# Altium PCB PROC114E3_BRD.PcbDoc (part 15 of 18) (continued)
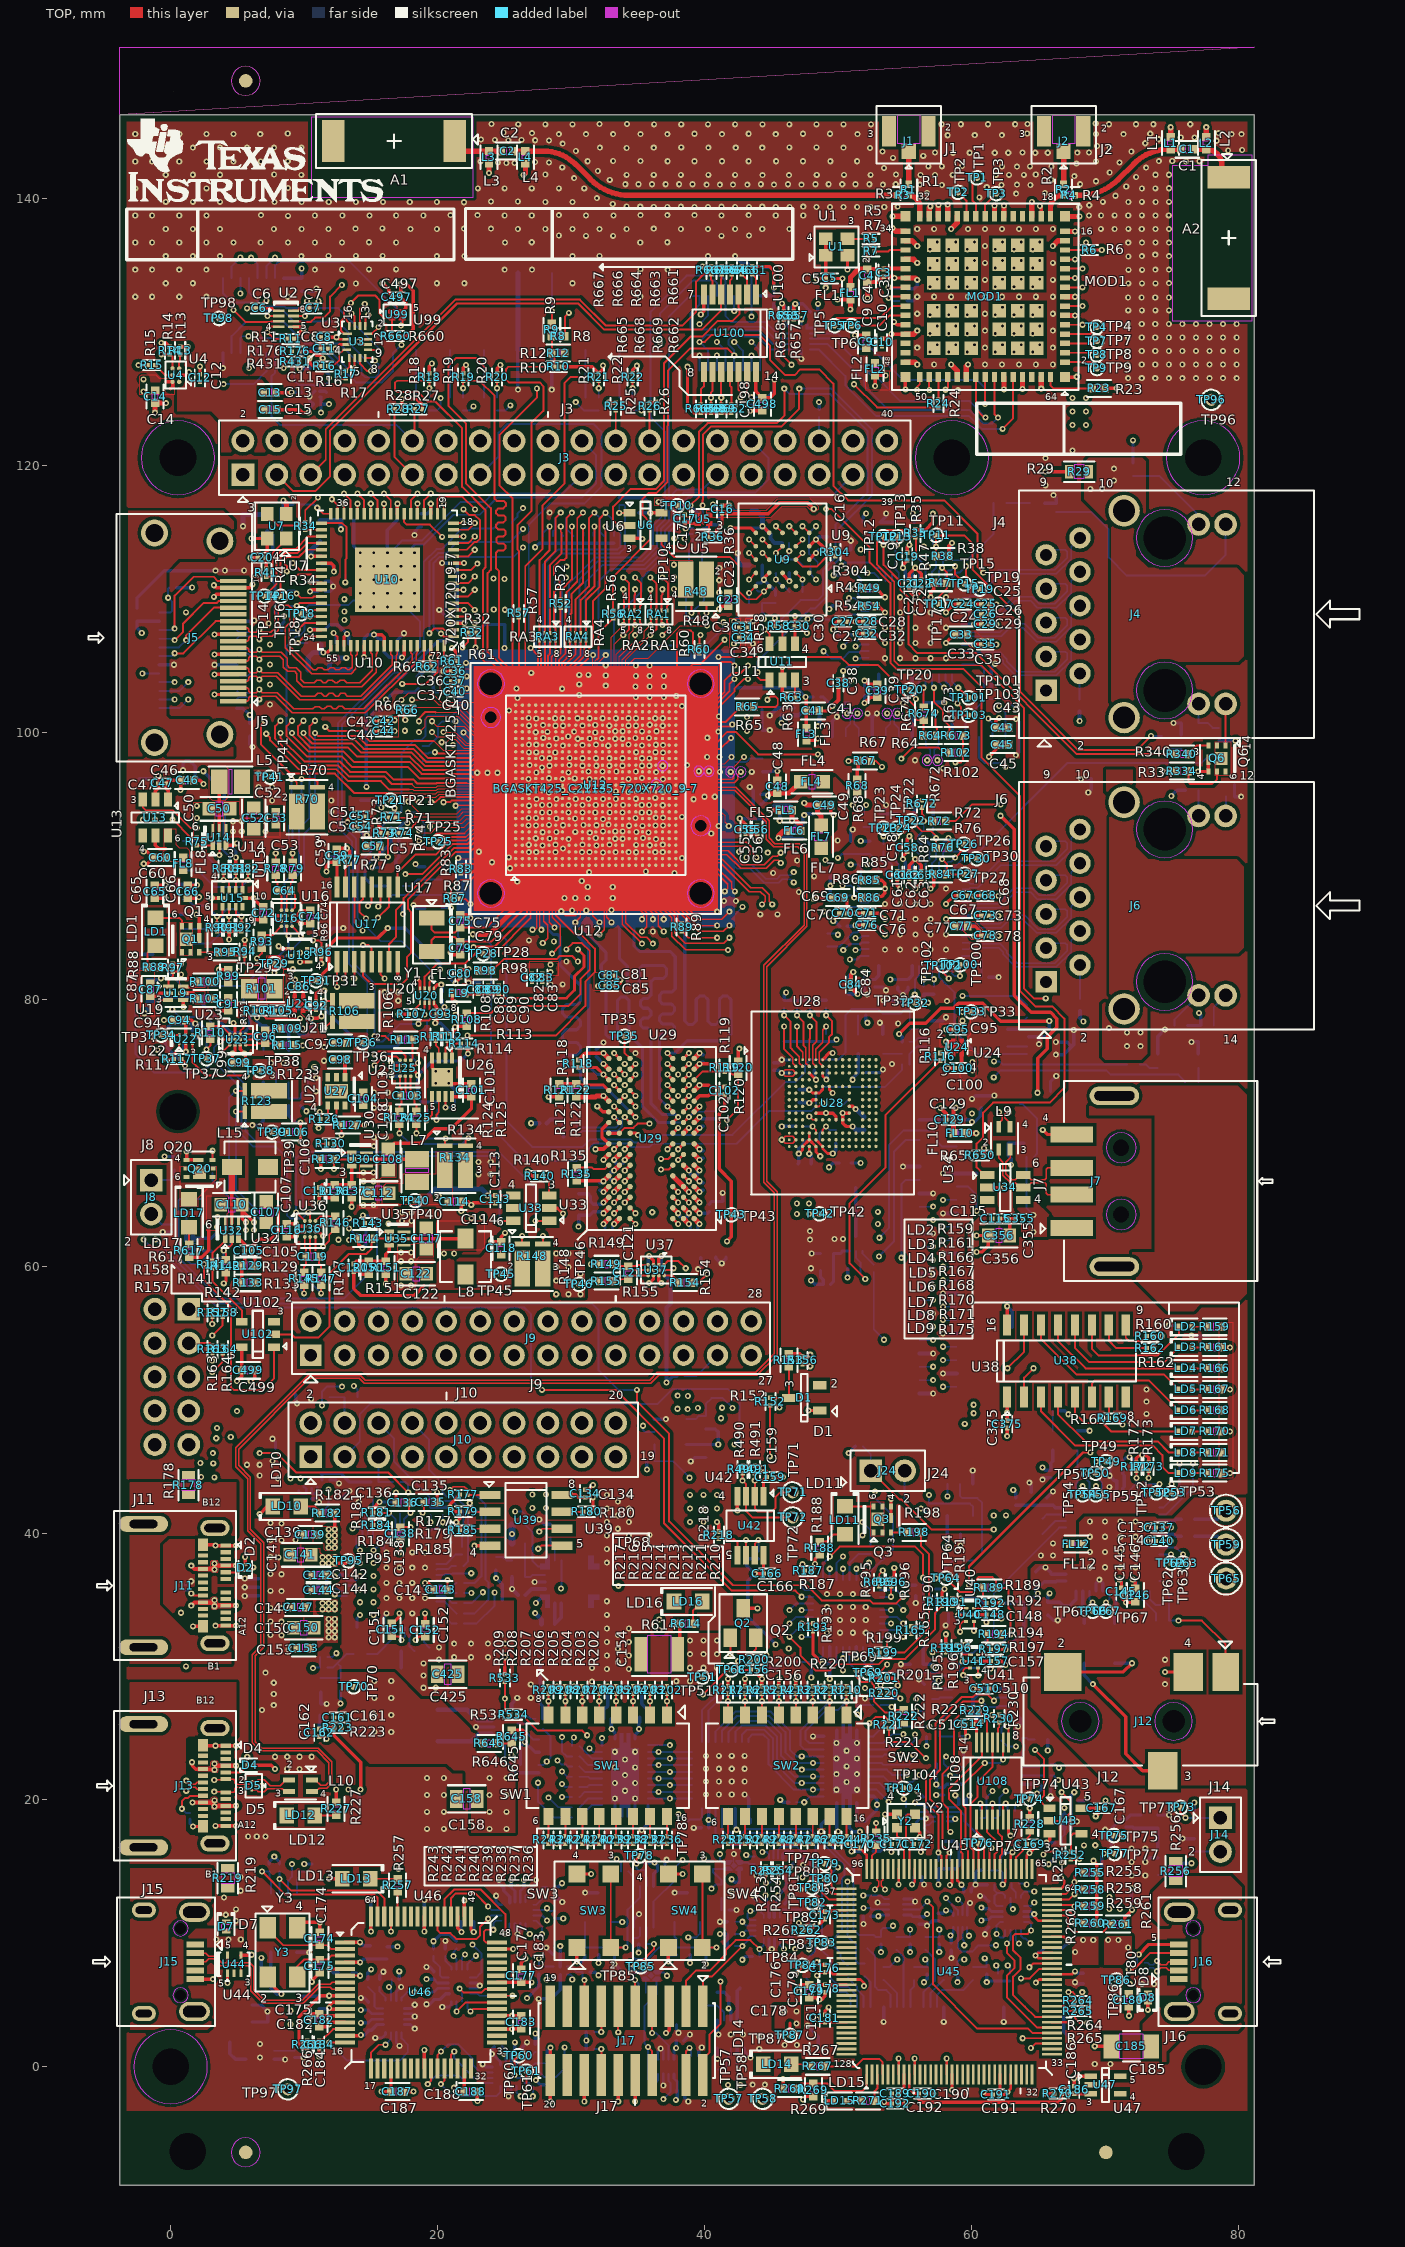
[diagram p0: TOP view]
## Nets (pads, with @x,y where several pads share a name; then routed paths per layer and width w, separated by ;. In a path a pad name is that pad's centre, name@x,y a point inside that pad or via, vN(x,y) a via of type N, cw(c..) or ccw(c..) an arc to the next point about the centre after c; other vN are vias at no path point) (continued)
 TP1.1 TP2.1 TP3.1 TP4.1 TP5.1 TP6.1 TP7.1 TP8.1 TP9.1 TP10.1 TP11.1 TP12.1 TP13.1 TP14.1 TP15.1 TP16.1 TP17.1 TP18.1 TP19.1 TP20.1 TP21.1 TP22.1 TP23.1 TP24.1 TP25.1 TP26.1 TP27.1 TP28.1 TP29.1 TP30.1 TP31.1 TP32.1 TP33.1 TP34.1 TP35.1 TP36.1 TP37.1 TP38.1 TP39.1 TP40.1 TP41.1 TP42.1 TP43.1 TP45.1 TP46.1 TP49.1 TP50.1 TP51.1 TP52.1 TP53.1 TP54.1 TP55.1 TP56.1 TP57.1 TP58.1 TP59.1 TP60.1 TP61.1 TP62.1 TP63.1 TP64.1 TP65.1 TP66.1 TP67.1 TP68.1 TP69.1 TP70.1 TP71.1 TP72.1 TP73.1 TP74.1 TP75.1 TP76.1 TP77.1 TP78.1 TP79.1 TP80.1 TP81.1 TP82.1 TP83.1 TP84.1 TP85.1 TP86.1 TP87.1 TP88.1 TP90.1 TP91.1 TP92.1 TP93.1 TP94.1 TP95.1 TP96.1 TP97.1 TP98.1 TP99.1 TP100.1 TP101.1 TP102.1 TP103.1 TP104.1 U1.1 U1.2 U1.3 U1.4 U2.1 U2.2 U2.3 U2.4 U2.5 U2.6 U2.7 U2.8 U3.1 U3.2 U3.3 U3.4 U3.5 U3.6 U3.7 U3.8 U3.9 U3.10 U3.11 U3.12 U3.13 U3.14 U3.15 U3.16 U4.A1 U4.A2 U4.B1 U4.B2 U4.C1 U4.C2 U5.1 U5.2 U5.3 U5.4 U5.5 U6.1 U6.2 U6.3 U6.4 U6.5 U7.1 U7.2 U7.3 U7.4 U8.A1 U8.A2 U8.A3 U8.B1 U8.B2 U8.B3 U8.C1 U8.C2 U8.C3 U8.D1 U8.D2 U8.D3 U9.A2 U9.A3 U9.A4 U9.A5 U9.B1 U9.B2 U9.B3 U9.B4 U9.B5 U9.C1 U9.C2 U9.C3 U9.C4 U9.C5 U9.D1 U9.D2 U9.D3 U9.D4 U9.D5 U9.E1 U9.E2 U9.E3 U9.E4 U9.E5 U10.1 U10.2 U10.3 U10.4 U10.5 U10.6 U10.7 U10.8 U10.9 U10.10 U10.11 U10.12 U10.13 U10.14 U10.15 U10.16 U10.17 U10.18 U10.19 U10.20 U10.21 U10.22 U10.23 U10.24 U10.25 U10.26 U10.27 U10.28 U10.29 U10.30 U10.31 U10.32 U10.33 U10.34 U10.35 U10.36 U10.37 U10.38 U10.39 U10.40 U10.41 U10.42 U10.43 U10.44 U10.45 U10.46 U10.47 U10.48 U10.49 U10.50 U10.51 U10.52 U10.53 U10.54 U10.55 U10.56 U10.57 U10.58 U10.59 U10.60 U10.61 U10.62 U10.63 U10.64 U10.65 U10.66 U10.67 U10.68 U10.69 U10.70 U10.71 U10.72 U10.73 U11.1 U11.2 U11.3 U11.4 U11.5 U11.6 U12.A1 U12.A2 U12.A3 U12.A4 U12.A5 U12.A6 U12.A7 U12.A8 U12.A9 U12.A10 U12.A11 U12.A12 U12.A13 U12.A14 U12.A15 U12.A16 U12.A17 U12.A18 U12.A19 U12.A20 U12.A21 U12.A22 U12.A23 U12.A24 U12.A25 U12.AA1 U12.AA2 U12.AA3 U12.AA5 U12.AA7 U12.AA8 U12.AA11 U12.AA12 U12.AA14 U12.AA15 U12.AA18 U12.AA19 U12.AA21 U12.AA23 U12.AA24 U12.AA25 U12.AB1 U12.AB2 U12.AB4 U12.AB6 U12.AB9 U12.AB10 U12.AB12 U12.AB14 U12.AB16 U12.AB17 U12.AB20 U12.AB22 U12.AB24 U12.AB25 U12.AC1 U12.AC2 U12.AC5 U12.AC6 U12.AC9 U12.AC11 U12.AC13 U12.AC15 U12.AC17 U12.AC20 U12.AC21 U12.AC24 U12.AC25 U12.AD1 U12.AD2 U12.AD3 U12.AD4 U12.AD5 U12.AD6 U12.AD7 U12.AD8 U12.AD9 U12.AD10 U12.AD11 U12.AD12 U12.AD13 U12.AD14 U12.AD15 U12.AD16 U12.AD17 U12.AD18 U12.AD19 U12.AD20 U12.AD21 U12.AD22 U12.AD23 U12.AD24 U12.AD25 U12.AE1 U12.AE2 U12.AE3 U12.AE4 U12.AE5 U12.AE6 U12.AE7 U12.AE8 U12.AE9 U12.AE10 U12.AE11 U12.AE12 U12.AE13 U12.AE14 U12.AE15 U12.AE16 U12.AE17 U12.AE18 U12.AE19 U12.AE20 U12.AE21 U12.AE22 U12.AE23 U12.AE24 U12.AE25 U12.B1 U12.B2 U12.B3 U12.B4 U12.B5 U12.B6 U12.B7 U12.B8 U12.B9 U12.B10 U12.B11 U12.B12 U12.B13 U12.B14 U12.B15 U12.B16 U12.B17 U12.B18 U12.B19 U12.B20 U12.B21 U12.B22 U12.B23 U12.B24 U12.B25 U12.C1 U12.C2 U12.C5 U12.C6 U12.C9 U12.C11 U12.C13 U12.C15 U12.C17 U12.C20 U12.C21 U12.C24 U12.C25 U12.D1 U12.D2 U12.D4 U12.D6 U12.D9 U12.D10 U12.D12 U12.D14 U12.D16 U12.D17 U12.D20 U12.D22 U12.D24 U12.D25 U12.E1 U12.E2 U12.E3 U12.E5 U12.E7 U12.E8 U12.E11 U12.E12 U12.E14 U12.E15 U12.E18 U12.E19 U12.E21 U12.E23 U12.E24 U12.E25 U12.F1 U12.F2 U12.F3 U12.F4 U12.F6 U12.F8 U12.F11 U12.F13 U12.F15 U12.F18 U12.F20 U12.F22 U12.F23 U12.F24 U12.F25 U12.G1 U12.G2 U12.G5 U12.G7 U12.G9 U12.G10 U12.G12 U12.G13 U12.G14 U12.G16 U12.G17 U12.G19 U12.G21 U12.G24 U12.G25 U12.H1 U12.H2 U12.H5 U12.H6 U12.H8 U12.H9 U12.H10 U12.H11 U12.H13 U12.H15 U12.H16 U12.H17 U12.H18 U12.H20 U12.H21 U12.H24 U12.H25 U12.J1 U12.J2 U12.J3 U12.J4 U12.J7 U12.J8 U12.J11 U12.J12 U12.J13 U12.J14 U12.J18 U12.J19 U12.J22 U12.J23 U12.J24 U12.J25 U12.K1 U12.K2 U12.K3 U12.K4 U12.K7 U12.K9 U12.K10 U12.K13 U12.K15 U12.K16 U12.K17 U12.K18 U12.K19 U12.K22 U12.K24 U12.K25 U12.L1 U12.L2 U12.L5 U12.L6 U12.L8 U12.L11 U12.L12 U12.L14 U12.L15 U12.L18 U12.L20 U12.L21 U12.L23 U12.L24 U12.L25 U12.M1 U12.M2 U12.M4 U12.M5 U12.M7 U12.M8 U12.M9 U12.M10 U12.M12 U12.M13 U12.M16 U12.M17 U12.M18 U12.M19 U12.M21 U12.M22 U12.M24 U12.M25 U12.N1 U12.N2 U12.N3 U12.N6 U12.N8 U12.N11 U12.N12 U12.N13 U12.N14 U12.N15 U12.N18 U12.N20 U12.N23 U12.N24 U12.N25 U12.P1 U12.P2 U12.P4 U12.P5 U12.P7 U12.P9 U12.P10 U12.P13 U12.P16 U12.P17 U12.P18 U12.P19 U12.P21 U12.P22 U12.P24 U12.P25 U12.R1 U12.R2 U12.R3 U12.R5 U12.R6 U12.R8 U12.R11 U12.R12 U12.R13 U12.R14 U12.R15 U12.R18 U12.R20 U12.R21 U12.R23 U12.R24 U12.R25 U12.T1 U12.T2 U12.T4 U12.T7 U12.T8 U12.T9 U12.T10 U12.T13 U12.T14 U12.T16 U12.T17 U12.T18 U12.T19 U12.T22 U12.T24 U12.T25 U12.U1 U12.U2 U12.U3 U12.U4 U12.U7 U12.U8 U12.U11 U12.U12 U12.U14 U12.U15 U12.U18 U12.U19 U12.U22 U12.U23 U12.U24 U12.U25 U12.V1 U12.V2 U12.V5 U12.V6 U12.V8 U12.V9 U12.V10 U12.V11 U12.V13 U12.V15 U12.V16 U12.V17 U12.V18 U12.V20 U12.V21 U12.V24 U12.V25 U12.W1 U12.W2 U12.W5 U12.W7 U12.W9 U12.W10 U12.W12 U12.W13 U12.W14 U12.W16 U12.W17 U12.W19 U12.W21 U12.W24 U12.W25 U12.Y1 U12.Y2 U12.Y3 U12.Y4 U12.Y6 U12.Y8 U12.Y11 U12.Y13 U12.Y15 U12.Y18 U12.Y20 U12.Y22 U12.Y23 U12.Y24 U12.Y25 U13.1 U13.2 U13.3 U13.4 U13.5 U13.6 U14.1 U14.2 U14.3 U14.4 U14.5 U14.6 U15.1 U15.2 U15.3 U15.4 U15.5 U15.6 U15.7 U15.8 U15.9 U15.10 U16.A1 U16.A2 U16.A3 U16.B1 U16.B2 U16.B3 U16.C1 U16.C2 U16.C3 U16.D1 U16.D2 U16.D3 U17.1 U17.2 U17.3 U17.4 U17.5 U17.6 U17.7 U17.8 U17.9 U17.10 U17.11 U17.12 U17.13 U17.14 U17.15 U17.16 U18.1 U18.2 U18.3 U18.4 U18.5 U19.1 U19.2 U19.3 U19.4 U19.5 U19.6 U20.1 U20.2 U20.3 U20.4 U20.5 U20.6 U20.7 U20.8 U21.1 U21.2 U21.3 U21.4 U21.5 U22.1 U22.2 U22.3 U22.4 U22.5 U22.6 U23.A1 U23.A2 U23.A3 U23.B1 U23.B2 U23.B3 U23.C1 U23.C2 U23.C3 U23.D1 U23.D2 U23.D3 U24.1 U24.2 U24.3 U24.4 U24.5 U25.A1 U25.A2 U25.A3 U25.B1 U25.B2 U25.B3 U25.C1 U25.C2 U25.C3 U25.D1 U25.D2 U25.D3 U26.1 U26.2 U26.3 U26.4 U26.5 U26.6 U26.7 U26.8 U26.9 U27.1 U27.2 U27.3 U27.4 U27.5 U27.6 U27.7 U28.A1 U28.A2 U28.A3 U28.A4 U28.A5 U28.A6 U28.A7 U28.A8 U28.A9 U28.A10 U28.A11 U28.A12 U28.A13 U28.A14 U28.B1 U28.B2 U28.B3 U28.B4 U28.B5 U28.B6 U28.B7 U28.B8 U28.B9 U28.B10 U28.B11 U28.B12 U28.B13 U28.B14 U28.C1 U28.C2 U28.C3 U28.C4 U28.C5 U28.C6 U28.C7 U28.C8 U28.C9 U28.C10 U28.C11 U28.C12 U28.C13 U28.C14 U28.D1 U28.D2 U28.D3 U28.D4 U28.D12 U28.D13 U28.D14 U28.E1 U28.E2 U28.E3 U28.E5 U28.E6 U28.E7 U28.E8 U28.E9 U28.E10 U28.E12 U28.E13 U28.E14 U28.F1 U28.F2 U28.F3 U28.F5 U28.F10 U28.F12 U28.F13 U28.F14 U28.G1 U28.G2 U28.G3 U28.G5 U28.G10 U28.G12 U28.G13 U28.G14 U28.H1 U28.H2 U28.H3 U28.H5 U28.H10 U28.H12 U28.H13 U28.H14 U28.J1 U28.J2 U28.J3 U28.J5 U28.J10 U28.J12 U28.J13 U28.J14 U28.K1 U28.K2 U28.K3 U28.K5 U28.K6 U28.K7 U28.K8 U28.K9 U28.K10 U28.K12 U28.K13 U28.K14 U28.L1 U28.L2 U28.L3 U28.L12 U28.L13 U28.L14 U28.M1 U28.M2 U28.M3 U28.M4 U28.M5 U28.M6 U28.M7 U28.M8 U28.M9 U28.M10 U28.M11 U28.M12 U28.M13 U28.M14 U28.N1 U28.N2 U28.N3 U28.N4 U28.N5 U28.N6 U28.N7 U28.N8 U28.N9 U28.N10 U28.N11 U28.N12 U28.N13 U28.N14 U28.P1 U28.P2 U28.P3 U28.P4 U28.P5 U28.P6 U28.P7 U28.P8 U28.P9 U28.P10 U28.P11 U28.P12 U28.P13 U28.P14 U29.A1 U29.A2 U29.A3 U29.A7 U29.A8 U29.A9 U29.B1 U29.B2 U29.B3 U29.B7 U29.B8 U29.B9 U29.C1 U29.C2 U29.C3 U29.C7 U29.C8 U29.C9 U29.D1 U29.D2 U29.D3 U29.D7 U29.D8 U29.D9 U29.E1 U29.E2 U29.E3 U29.E7 U29.E8 U29.E9 U29.F1 U29.F2 U29.F3 U29.F7 U29.F8 U29.F9 U29.G1 U29.G2 U29.G3 U29.G7 U29.G8 U29.G9 U29.H1 U29.H2 U29.H3 U29.H7 U29.H8 U29.H9 U29.J1 U29.J2 U29.J3 U29.J7 U29.J8 U29.J9 U29.K1 U29.K2 U29.K3 U29.K7 U29.K8 U29.K9 U29.L1 U29.L2 U29.L3 U29.L7 U29.L8 U29.L9 U29.M1 U29.M2 U29.M3 U29.M7 U29.M8 U29.M9 U29.N1 U29.N2 U29.N3 U29.N7 U29.N8 U29.N9 U29.P1 U29.P2 U29.P3 U29.P7 U29.P8 U29.P9 U29.R1 U29.R2 U29.R3 U29.R7 U29.R8 U29.R9 U29.T1 U29.T2 U29.T3 U29.T7 U29.T8 U29.T9 U30.1 U30.2 U30.3 U30.4 U30.5 U30.6 U32.1 U32.2 U32.3 U32.4 U32.5 U32.6 U33.1 U33.2 U33.3 U33.4 U33.5 U33.6 U34.1 U34.2 U34.3 U34.4 U34.5 U34.6 U35.1 U35.2 U35.3 U35.4 U35.5 U35.6 U36.A1 U36.A2 U36.A3 U36.B1 U36.B2 U36.B3 U36.C1 U36.C2 U36.C3 U36.D1 U36.D2 U36.D3 U37.A1 U37.A2 U37.A3 U37.B1 U37.B2 U37.B3 U37.C1 U37.C2 U37.C3 U37.D1 U37.D2 U37.D3 U38.1 U38.2 U38.3 U38.4 U38.5 U38.6 U38.7 U38.8 U38.9 U38.10 U38.11 U38.12 U38.13 U38.14 U38.15 U38.16 U39.1 U39.2 U39.3 U39.4 U39.5 U39.6 U39.7 U39.8 U40.1 U40.2 U40.3 U40.4 U40.5 U40.6 U41.1 U41.2 U41.3 U41.4 U41.5 U41.6 U42.1 U42.2 U42.3 U42.4 U42.5 U42.6 U42.7 U42.8 U43.1 U43.2 U43.3 U43.4 U43.5 U44.1 U44.2 U44.3 U44.4 U44.5 U45.1 U45.2 U45.3 U45.4 U45.5 U45.6 U45.7 U45.8 U45.9 U45.10 U45.11 U45.12 U45.13 U45.14 U45.15 U45.16 U45.17 U45.18 U45.19 U45.20 U45.21 U45.22 U45.23 U45.24 U45.25 U45.26 U45.27 U45.28 U45.29 U45.30 U45.31 U45.32 U45.33 U45.34 U45.35 U45.36 U45.37 U45.38 U45.39 U45.40 U45.41 U45.42 U45.43 U45.44 U45.45 U45.46 U45.47 U45.48 U45.49 U45.50 U45.51 U45.52 U45.53 U45.54 U45.55 U45.56 U45.57 U45.58 U45.59 U45.60 U45.61 U45.62 U45.63 U45.64 U45.65 U45.66 U45.67 U45.68 U45.69 U45.70 U45.71 U45.72 U45.73 U45.74 U45.75 U45.76 U45.77 U45.78 U45.79 U45.80 U45.81 U45.82 U45.83 U45.84 U45.85 U45.86 U45.87 U45.88 U45.89 U45.90 U45.91 U45.92 U45.93 U45.94 U45.95 U45.96 U45.97 U45.98 U45.99 U45.100 U45.101 U45.102 U45.103 U45.104 U45.105 U45.106 U45.107 U45.108 U45.109 U45.110 U45.111 U45.112 U45.113 U45.114 U45.115 U45.116 U45.117 U45.118 U45.119 U45.120 U45.121 U45.122 U45.123 U45.124 U45.125 U45.126 U45.127 U45.128 U46.1 U46.2 U46.3 U46.4 U46.5 U46.6 U46.7 U46.8 U46.9 U46.10 U46.11 U46.12 U46.13 U46.14 U46.15 U46.16 U46.17 U46.18 U46.19 U46.20 U46.21 U46.22 U46.23 U46.24 U46.25 U46.26 U46.27 U46.28 U46.29 U46.30 U46.31 U46.32 U46.33 U46.34 U46.35 U46.36 U46.37 U46.38 U46.39 U46.40 U46.41 U46.42 U46.43 U46.44 U46.45 U46.46 U46.47 U46.48 U46.49 U46.50 U46.51 U46.52 U46.53 U46.54 U46.55 U46.56 U46.57 U46.58 U46.59 U46.60 U46.61 U46.62 U46.63 U46.64 U47.1 U47.2 U47.3 U47.4 U47.5 U48.A1 U48.A2 U48.B1 U48.B2 U49.1 U49.2 U49.3 U49.4 U49.5 U49.6 U49.7 U49.8 U49.9 U49.10 U49.11 U49.12 U49.13 U49.14 U49.15 U49.16 U49.17 U49.18 U49.19 U49.20 U49.21 U49.22 U49.23 U49.24 U49.25 U49.26 U49.27 U49.28 U49.29 U49.30 U49.31 U49.32 U49.33 U49.34 U49.35 U49.36 U49.37 U49.38 U49.39 U49.40 U49.41 U49.42 U49.43 U49.44 U49.45 U49.46 U49.47 U49.48 U49.49 U50.1 U50.2 U50.3 U50.4 U50.5 U50.6 U50.7 U50.8 U50.9 U50.10 U50.11 U50.12 U50.13 U50.14 U50.15 U50.16 U50.17 U50.18 U50.19 U50.20 U50.21 U50.22 U50.23 U50.24 U51.1 U51.2 U51.3 U51.4 U51.5 U51.6 U51.7 U51.8 U51.9 U51.10 U51.11 U51.12 U51.13 U51.14 U51.15 U51.16 U51.17 U51.18 U51.19 U51.20 U51.21 U51.22 U51.23 U51.24 U51.25 U51.26 U51.27 U51.28 U51.29 U51.30 U51.31 U51.32 U51.33 U51.34 U51.35 U51.36 U51.37 U51.38 U51.39 U51.40 U51.41 U51.42 U51.43 U51.44 U51.45 U51.46 U51.47 U51.48 U51.49 U52.1 U52.2 U52.3 U52.4 U52.5 U52.6 U52.7 U52.8 U53.1 U53.2 U53.3 U53.4 U54.1 U54.2 U54.3 U54.4 U54.5 U56.1 U56.2 U56.3 U56.4 U56.5 U56.6 U58.1 U58.2 U58.3 U58.4 U58.5 U59.1 U59.2 U59.3 U59.4 U60.1 U60.2 U60.3 U60.4 U60.5 U60.6 U60.7 U60.8 U60.9 U60.10 U60.11 U60.12 U62.A1 U62.A2 U62.B1 U62.B2 U63.1 U63.2 U63.3 U63.4 U63.5 U63.6 U63.7 U63.8 U63.9 U63.10 U63.11 U63.12 U63.13 U63.14 U63.15 U63.16 U65.1 U65.2 U65.3 U65.4 U65.5 U65.6 U65.7 U65.8 U65.9 U65.10 U65.11 U65.12 U65.13 U65.14 U65.15 U65.16 U66.1 U66.2 U66.3 U66.4 U66.5 U66.6 U66.7 U66.8 U66.9 U66.10 U66.11 U66.12 U66.13 U66.14 U66.15 U66.16 U66.17 U66.18 U66.19 U66.20 U66.21 U66.22 U66.23 U66.24 U66.25 U66.26 U66.27 U66.28 U66.29 U66.30 U66.31 U66.32 U66.33 U66.34 U66.35 U66.36 U66.37 U66.38 U66.39 U66.40 U66.41 U66.42 U66.43 U66.44 U66.45 U66.46 U66.47 U66.48 U66.49 U67.1 U67.2 U67.3 U67.4 U67.5 U67.6 U67.7 U67.8 U67.9 U67.10 U67.11 U67.12 U67.13 U67.14 U68.1 U68.3 U68.5 U68.6 U68.7 U68.8 U68.9 U68.10 U68.11 U68.13 U68.15 U68.16 U68.17 U68.18 U68.19 U68.20 U68.21 U68.22 U68.23 U68.24 U68.25 U68.26 U68.27 U68.28 U68.29 U68.30 U68.31 U68.32 U68.33 U68.34 U68.35 U68.36 U68.37 U68.38 U68.39 U68.40 U68.41 U68.42 U68.43 U68.44 U68.45 U68.46 U68.47 U68.48 U68.49 U68.50 U68.51 U68.52 U68.53 U68.54 U68.55 U68.56 U68.57 U68.58 U68.59 U69.1 U69.2 U69.3 U69.4 U69.5 U69.6 U69.7 U70.1 U70.2 U70.3 U70.4 U70.5 U70.6 U70.7 U70.8 U70.9 U70.10 U70.11 U70.12 U70.13 U70.14 U70.15 U70.16 U70.17 U70.18 U70.19 U70.20 U70.21 U70.22 U70.23 U70.24 U70.25 U70.26 U70.27 U70.28 U70.29 U70.30 U70.31 U70.32 U70.33 U71.1 U71.2 U71.3 U71.4 U71.5 U72.1 U72.2 U72.3 U72.4 U72.5 U72.6 U73.1 U73.2 U73.3 U73.4 U73.5 U73.6 U73.7 U73.8 U73.9 U73.10 U73.11 U73.12 U73.13 U73.14 U73.15 U73.16 U73.17 U73.18 U73.19 U73.20 U73.21 U73.22 U73.23 U73.24 U73.25 U74.1 U74.2 U74.3 U74.4 U74.5 U74.6 U74.7 U74.8 U74.9 U74.10 U74.11 U74.12 U74.13 U74.14 U74.15 U74.16 U74.17 U74.18 U74.19 U74.20 U74.21 U74.22 U74.23 U74.24 U74.25 U74.26 U74.27 U74.28 U74.29 U74.30 U74.31 U74.32 U74.33 U75.1 U75.2 U75.3 U75.4 U75.5 U75.6 U75.7 U75.8 U75.9 U75.10 U75.11 U75.12 U75.13 U75.14 U75.15 U75.16 U75.17 U75.18 U75.19 U75.20 U75.21 U75.22 U75.23 U75.24 U75.25 U76.1 U76.2 U76.3 U76.4 U76.5 U76.6 U76.7 U76.9 U76.10 U76.11 U76.12 U76.14 U76.15 U77.1 U77.2 U77.3 U77.4 U77.5 U78.1 U78.2 U78.3 U78.4 U78.5 U78.6 U78.7 U79.1 U79.2 U79.3 U79.4 U79.5 U79.6 U79.7 U79.8 U79.9 U80.1 U80.2 U80.3 U80.4 U80.5 U80.6 U80.7 U80.8 U81.1 U81.2 U81.3 U81.4 U81.5 U82.1 U82.2 U82.3 U82.4 U82.5 U82.6 U82.7 U82.8 U83.1 U83.2 U83.3 U83.4 U83.5 U83.6 U83.7 U83.8 U84.1 U84.2 U84.3 U84.4 U84.5 U84.6 U84.7 U84.8 U84.9 U84.10 U84.11 U84.12 U84.13 U84.14 U84.15 U84.16 U85.1 U85.2 U85.3 U85.4 U85.5 U85.6 U85.7 U85.8 U85.9 U85.10 U85.11 U85.12 U85.13 U85.14 U85.15 U85.16 U86.1 U86.2 U86.3 U86.4 U86.5 U86.6 U86.7 U86.8 U87.1 U87.2 U87.3 U87.4 U87.5 U87.6 U87.7 U87.8 U88.1 U88.2 U88.3 U88.4 U88.5 U88.6 U88.7 U88.8 U88.9 U88.10 U88.11 U88.12 U88.13 U88.14 U88.15 U88.16 U89.1 U89.2 U89.3 U89.4 U89.5 U89.6 U90.1 U90.2 U90.3 U90.4 U90.5 U90.6 U91.1 U91.2 U91.3 U91.4 U91.5 U92.1 U92.2 U92.3 U92.4 U92.5 U92.6 U92.7 U92.8 U92.9 U92.10 U92.11 U92.12 U92.13 U92.14 U92.15 U92.16 U93.1 U93.2 U93.3 U93.4 U93.5 U93.6 U93.7 U93.8 U93.9 U93.10 U93.11 U93.12 U93.13 U93.14 U93.15 U93.16 U94.1 U94.2 U94.3 U94.4 U94.5 U94.6 U94.7 U94.8 U94.9 U94.10 U94.11 U95.1 U95.2 U95.3 U95.4 U95.5 U95.6 U95.7 U96.1 U96.2 U96.3 U96.4 U96.5 U96.6 U96.7 U96.8 U97.1 U97.2 U97.3 U97.4 U97.5 U97.6 U97.7 U97.8 U97.9 U97.10 U97.11 U97.12 U97.13 U97.14 U97.15 U97.16 U99.1 U99.2 U99.3 U99.4 U99.5 U100.1 U100.2 U100.3 U100.4 U100.5 U100.6 U100.7 U100.8 U100.9 U100.10 U100.11 U100.12 U100.13 U100.14 U101.1 U101.2 U101.3 U101.4 U101.5 U102.1 U102.2 U102.3 U102.4 U102.5 U105.1 U105.2 U105.3 U105.4 U105.5 U106.1 U106.2 U106.3 U106.4 U106.5 U106.6 U106.7 U106.8 U107.1 U107.2 U107.3 U107.4 U107.5 U107.6 U107.7 U107.8 U108.1 U108.2 U108.3 U108.4 U108.5 U108.6 U108.7 U108.8 U108.9 U108.10 U108.11 U108.12 U108.13 U108.14 U109.1 U109.2 U109.3 U109.4 U109.5 U109.6 U109.7 U109.8 Y1.1 Y1.2 Y2.1 Y2.2 Y2.3 Y2.4 Y3.1 Y3.2 Y3.3 Y3.4 Y4.1 Y4.2 Y4.3 Y4.4
copper on no net:
  other v1: 43.357,111.455 43.357,113.455

## Polygon pours and split planes (outlines as drawn)
USB_TYPEA_EARTH on L06_PWR2 "L06_PWR2-USB_TYPEA_EARTH" (solid, pour order 212): 68.834,73.508 68.834,71.323 73.762,71.323 73.762,61.036 68.758,61.036 68.758,59.055 72.254,59.055 74.676,56.633 76.666,56.633 77.164,57.131 79.849,57.131 80.645,57.927 80.645,72.847 79.985,73.508
VCC_3V3_SYS on L06_PWR2 "L06_PWR2-VCC_3V3_SYS" (solid, pour order 152): 7.544,90.373 7.544,82.321 12.167,82.321 12.167,90.373
VMAIN on L06_PWR2 "L06_PWR2-VMAIN" (solid, pour order 240): 36 vertices, not listed, extent 10.606,-2.162 43.181,44.628
VDD_2V5 on L06_PWR2 "L06_PWR2-VDD_2V5" (solid, pour order 233): 32 vertices, not listed, extent 45.302,60.742 63.273,117.231
USB_TYPEC2_EARTH on L06_PWR2 "L06_PWR2-USB_TYPEC2_EARTH" (solid, pour order 157): -2.743,26.568 4.445,26.568 4.445,24.714 0.127,24.714 -0.305,24.282 -0.305,17.882 0.203,17.374 4.521,17.374 4.521,15.799 -2.718,15.799 -3.277,16.358 -3.277,26.035
VCC_3V3_FT4232 on L06_PWR2 "L06_PWR2-VCC_3V3_FT4232" (solid, pour order 234): 7.38,15.987 16.651,15.987 18.439,14.199 25.856,14.199 27.395,12.659 27.395,-0.371 25.566,-2.2 8.32,-2.2 6.288,-0.168 6.288,14.895
VCC_5V0 on L06_PWR2 "L06_PWR2-VCC_5V0" (solid, pour order 237): 18 vertices, not listed, extent 23.266,17.475 69.102,62.738
VCC_1V8 on L06_PWR2 "L06_PWR2-VCC_1V8" (solid, pour order 245): 59 vertices, not listed, extent -3.174,27.341 70.283,140.066
ETH1_EARTH on L06_PWR2 "L06_PWR2-ETH1_EARTH" (solid, pour order 187): 27 vertices, not listed, extent 69.808,75.462 80.428,97.206
UART_SHIELD on L06_PWR2 "L06_PWR2-UART_SHIELD" (solid, pour order 164): -3.175,14.895 3.066,14.895 3.066,12.549 2.998,12.482 2.998,11.25 2.617,10.869 0.141,10.869 -0.164,10.564 -0.164,5.255 0.217,4.874 2.579,4.874 3.037,4.417 3.037,3.045 2.757,2.766 -3.175,2.766
VDDA_1V8 on L06_PWR2 "L06_PWR2-VDDA_1V8" (solid, pour order 239): 30 vertices, not listed, extent 13.171,78.779 51.398,101.483
VDDR_CORE on L06_PWR2 "L06_PWR2-VDDR_CORE" (solid, pour order 222): 32 vertices, not listed, extent 12.714,94.407 34.408,116.114
ETH2_EARTH on L06_PWR2 "L06_PWR2-ETH2_EARTH" (solid, pour order 205): 26 vertices, not listed, extent 68.456,99.875 80.428,120.584
XDS_USB_VBUS on L06_PWR2 "L06_PWR2-XDS_USB_VBUS" (solid, pour order 219): 35 vertices, not listed, extent 43.612,-1.626 75.616,23.52
VCC3V3_XDS on L06_PWR2 "L06_PWR2-VCC3V3_XDS" (solid, pour order 236): 64.251,19.695 70.448,19.695 70.448,13.625 69.832,13.009 69.832,10.989 70.448,10.373 70.448,-2.796 70.172,-3.072 46.431,-3.072 46.431,4.322 47.854,5.744 47.854,11.845 50.419,14.411 58.966,14.411
VDD_1V0 on L06_PWR2 "L06_PWR2-VDD_1V0" (solid, pour order 221): 41 vertices, not listed, extent 50.865,78.014 60.669,112.773
LVDS_SHIELD on L06_PWR2 "L06_PWR2-LVDS_SHIELD" (solid, pour order 154): 59.958,71.689 60.39,71.689 60.568,71.511 60.568,68.565 60.212,68.209 60.212,50.632 60.491,50.353 60.491,48.88 60.263,48.651 59.475,48.651 58.713,49.413 58.115,50.011 58.115,61.022 58.713,61.62 58.713,70.444
SOC_DVDD3V3 on L06_PWR2 "L06_PWR2-SOC_DVDD3V3" (solid, pour order 242): 43 vertices, not listed, extent 3.506,93.807 47.741,126.55
VBUS_TYPEC1 on L06_PWR2 "L06_PWR2-VBUS_TYPEC1" (solid, pour order 185): 12.716,43.077 12.716,38.682 9.742,38.682 5.17,34.11 0.084,34.11 0.084,43.077
DGND on L06_PWR2 "L06_PWR2-DGND" (solid, pour order 243): 53 vertices, not listed, extent -3.26,42.189 80.645,145.778
VBUS_TYPEC2 on L06_PWR2 "L06_PWR2-VBUS_TYPEC2" (solid, pour order 217): 0.382,23.825 5.258,23.825 5.258,33.254 8.033,36.029 12.509,36.029 12.509,34.219 12.349,34.059 11.177,34.059 11.177,31.684 13.59,29.271 13.59,18.364 1.092,18.364 0.382,19.074
DGND on BOTTOM "BOTTOM-DGND 2" (solid, pour order 250): -3.302,-3.302 -3.302,145.779 80.682,145.779 80.682,-3.302
AGND_AUD on BOTTOM "BOTTOM-AGND_AUD" (solid, pour order 226): 70.348,21.092 64.454,26.986 64.454,37.323 64.784,37.653 68.086,37.653 68.086,40.803 68.518,41.234 72.887,41.234 73.064,41.057 75.147,41.057 76.722,42.631 80.555,42.631 80.555,21.092
DGND on BOTTOM "BOTTOM-DGND" (solid, pour order 61): 25.363,29.489 27.268,29.489 27.268,27.569 27.116,27.417 25.795,27.417 25.363,27.849
VDD_2V5 on BOTTOM "BOTTOM-VDD_2V5" (solid, pour order 148): 48.782,66.787 50.255,66.787 50.255,64.983 49.519,64.983 49.519,63.434 47.461,63.434 47.395,63.5 43.372,63.5 43.372,66.749 43.88,67.257 48.312,67.257
HDMI_EARTH on BOTTOM "BOTTOM-HDMI_EARTH" (solid, pour order 181): -3.161,98.233 -3.161,116.596 3.947,116.596 4.719,115.824 4.719,113.011 0.62,113.011 -0.331,112.06 -0.331,101.247 -0.063,100.98 4,100.98 4.687,100.293 4.687,98.233
VBUS_TYPEC2 on BOTTOM "BOTTOM-VBUS_TYPEC2" (solid, pour order 80): 12.667,34.345 13.578,34.345 13.578,35.061 10.655,35.061 10.25,34.656 10.25,32.192 11.266,32.192 11.266,33.767 11.571,34.072 12.394,34.072
VCC3V3_TA on BOTTOM "BOTTOM-VCC3V3_TA" (solid, pour order 142): 68.807,3.534 71.43,3.534 71.43,7.95 72.115,8.635 72.115,9.455 71.681,9.889 70.069,9.889 68.807,8.627
VHDMI_IOVCC_3V3 on BOTTOM "BOTTOM-VHDMI_IOVCC_3V3" (solid, pour order 121): 7.01,112.776 7.01,107.315 8.763,107.315 8.763,112.776
VMAIN on BOTTOM "BOTTOM-VMAIN" (solid, pour order 153): 17 vertices, not listed, extent 20.842,26.518 30.824,35.329
DGND on BOTTOM "BOTTOM-DGND 1" (solid, pour order 59): 23.331,110.195 23.331,108.494 25.518,108.494 25.518,110.195
VDD_CORE on BOTTOM "BOTTOM-VDD_CORE" (solid, pour order 20): 43.88,99.868 43.88,101.864 42.917,101.864 42.917,99.868
FT4232_USB_VBUS on BOTTOM "BOTTOM-FT4232_USB_VBUS" (solid, pour order 143): 22 vertices, not listed, extent 3.189,0.061 6.059,10.297
LM61460_SW on BOTTOM "BOTTOM-LM61460_SW" (solid, pour order 140): 29.745,36.878 29.745,35.837 32.869,35.837 33.567,35.138 33.567,33.754 33.946,33.376 35.56,33.376 35.56,39.192 33.9,39.192 33.542,38.834 33.542,37.628 32.793,36.878
SOC_DVDD3V3 on BOTTOM "BOTTOM-SOC_DVDD3V3" (solid, pour order 6): 17.035,99.792 17.035,101.102 16.171,101.102 16.171,99.792
N19859570 on BOTTOM "BOTTOM-N19859570" (solid, pour order 107): 18.186,23.851 22.479,23.851 23.165,24.536 24.79,24.536 24.79,25.146 18.186,25.146
USB_TYPEC1_EARTH on BOTTOM "BOTTOM-USB_TYPEC1_EARTH" (solid, pour order 168): -3.047,30.211 -3.047,43.786 -3.034,43.8 4.916,43.8 4.916,39.787 -0.226,39.787 -0.801,39.211 -0.801,34.608 1.462,32.344 4.542,32.344 4.542,30.211
VMAIN on BOTTOM "BOTTOM-VMAIN 1" (solid, pour order 135): 30.875,43.241 30.875,37.323 29.757,37.323 29.757,38.466 29.148,39.075 29.148,41.514 26.811,41.514 26.811,43.241
VCC3V3_XDS on BOTTOM "BOTTOM-VCC3V3_XDS" (solid, pour order 82): 68.007,16.85 71.413,16.85 71.413,15.504 69.534,15.504 69.28,15.25 68.066,15.25 68.007,15.309
DRAIN1 on BOTTOM "BOTTOM-DRAIN1" (solid, pour order 97): 17 vertices, not listed, extent 13.146,36.485 15.686,40.498
VCC_3V3_SYS on BOTTOM "BOTTOM-VCC_3V3_SYS" (solid, pour order 36): 11.165,128.255 11.571,128.255 12.308,127.518 12.308,125.943 11.063,125.943 11.063,126.782 11.165,126.883
VMAIN on BOTTOM "BOTTOM-VMAIN 2" (solid, pour order 22): 11.137,38.443 11.137,37.501 13.552,37.501 13.552,38.186 12.623,38.186 12.366,38.443
CPSW1_LED_ACT on BOTTOM "BOTTOM-CPSW1_LED_ACT" (solid, pour order 67): 74.473,78.41 74.473,74.574 75.54,74.574 75.54,78.41
VMAIN on BOTTOM "BOTTOM-VMAIN 3" (solid, pour order 48): 12.78,34.188 13.578,34.188 13.578,33.216 13.094,33.216 12.559,32.681 12.559,32.093 12.432,31.966 11.58,31.966 11.495,32.051 11.495,33.665 11.641,33.811 12.403,33.811
XDS_USB_VBUS on BOTTOM "BOTTOM-XDS_USB_VBUS" (solid, pour order 75): 70.143,15.199 71.413,15.199 71.413,11.59 70.143,11.59
DDR_VPP on BOTTOM "BOTTOM-DDR_VPP" (solid, pour order 62): 39.463,64.232 39.463,63.75 40.083,63.129 42.889,63.129 42.889,64.369 40.236,64.369 40.098,64.232
N19859568 on BOTTOM "BOTTOM-N19859568" (solid, pour order 114): 18.288,27.28 22.25,27.28 23.241,26.289 24.79,26.289 24.79,25.756 18.288,25.756
N17850096 on BOTTOM "BOTTOM-N17850096" (solid, pour order 9): 13.984,21.6 14.594,21.6 14.594,19.251 13.984,19.251
CBOOT on BOTTOM "BOTTOM-CBOOT" (solid, pour order 25): 29.402,35.138 29.402,32.675 28.513,32.675 28.513,33.64 28.589,33.716 28.589,35.113 28.614,35.138
VDD_DDR4 on BOTTOM "BOTTOM-VDD_DDR4" (solid, pour order 55): 28.705,81.808 26.201,81.808 26.201,83.205 28.705,83.205
VBUS_TYPEC1 on BOTTOM "BOTTOM-VBUS_TYPEC1" (solid, pour order 136): 1.3,37.85 5.227,37.85 5.227,37.158 4.751,37.158 4.751,34.809 5.133,34.809 5.133,34.135 1.3,34.135
VDD_CORE on BOTTOM "BOTTOM-VDD_CORE 1" (solid, pour order 14): 20.613,82.586 20.613,82.027 23.585,82.027 23.585,82.586
USB_TYPEC2_EARTH on BOTTOM "BOTTOM-USB_TYPEC2_EARTH" (solid, pour order 175): -3.047,15.211 -3.047,28.786 -3.034,28.8 4.916,28.8 4.916,24.787 1.35,24.787 1.132,24.568 1.132,17.675 1.462,17.344 4.815,17.344 4.815,15.211 4.815,14.514 4.713,14.412 3.759,14.412 2.96,15.211
VBUS_5V0_TYPEA1 on BOTTOM "BOTTOM-VBUS_5V0_TYPEA1" (solid, pour order 138): 61.595,64.287 61.595,60.198 65.126,60.198 65.126,64.287
VBUS_TYPEC2 on BOTTOM "BOTTOM-VBUS_TYPEC2 1" (solid, pour order 155): 11.749,21.549 11.749,20.533 6.923,20.533 6.516,20.94 6.516,23.073 1.386,23.073 1.386,18.438 1.792,18.031 12.396,18.031 13.692,19.327 13.692,21.549
VDD_CORE on BOTTOM "BOTTOM-VDD_CORE 2" (solid, pour order 44): 42.7,92.923 42.7,91.608 44.82,91.608 44.82,92.923
LVDS_SHIELD on BOTTOM "BOTTOM-LVDS_SHIELD" (solid, pour order 92): 55.335,49.845 55.335,48.743 60.517,48.743 60.517,49.845
VCC_3V3_AUD on BOTTOM "BOTTOM-VCC_3V3_AUD" (solid, pour order 53): 64.378,36.485 66.13,36.485 66.13,34.554 64.378,34.554
VCC_5V0 on BOTTOM "BOTTOM-VCC_5V0" (solid, pour order 144): 22.479,23.647 22.479,17.323 25.502,17.323 25.502,22.581 24.79,23.292 24.79,24.46 23.292,24.46
VCC_3V3_SYS on BOTTOM "BOTTOM-VCC_3V3_SYS 1" (solid, pour order 120): 8.98,54.366 11.774,54.366 11.774,51.013 8.98,51.013
LVDS_SHIELD on BOTTOM "BOTTOM-LVDS_SHIELD 1" (solid, pour order 81): 55.386,71.308 59.577,71.308 60.39,72.121 60.999,72.121 61.025,72.095 61.025,71.029 60.568,70.571 55.437,70.571 55.386,70.622
VCC_3V3_SYS on BOTTOM "BOTTOM-VCC_3V3_SYS 2" (solid, pour order 24): 8.752,44.359 10.225,44.359 10.225,42.987 8.752,42.987
UART_SHIELD on BOTTOM "BOTTOM-UART_SHIELD" (solid, pour order 160): -3.175,14.895 3.066,14.895 3.066,12.549 2.998,12.482 2.998,11.25 2.617,10.869 0.141,10.869 -0.164,10.564 -0.164,5.255 0.217,4.874 2.579,4.874 3.037,4.417 3.037,3.045 2.757,2.766 -3.175,2.766
VCC3V3_EXP on BOTTOM "BOTTOM-VCC3V3_EXP" (solid, pour order 21): 11.215,125.639 12.13,125.639 12.13,123.886 11.927,123.683 11.195,123.683 11.063,123.815 11.063,124.267 11.139,124.343 11.139,124.902 11.058,124.983 11.058,125.482
ETH2_EARTH on BOTTOM "BOTTOM-ETH2_EARTH" (solid, pour order 201): 25 vertices, not listed, extent 68.456,99.875 80.428,120.584
VCC_3V3_SYS on BOTTOM "BOTTOM-VCC_3V3_SYS 3" (solid, pour order 165): 36.831,43.812 36.831,40.386 37.897,39.32 37.897,33.349 36.831,32.283 36.831,28.268 39.981,28.268 41.213,29.5 41.213,43.812
ETH1_EARTH on BOTTOM "BOTTOM-ETH1_EARTH" (solid, pour order 193): 27 vertices, not listed, extent 69.808,75.462 80.428,97.206
USB_TYPEA_EARTH on BOTTOM "BOTTOM-USB_TYPEA_EARTH" (solid, pour order 206): 73.762,71.323 73.762,61.036 68.758,61.036 68.758,59.055 72.254,59.055 72.822,58.487 74.676,56.633 76.666,56.633 77.164,57.131 79.849,57.131 80.645,57.927 80.645,72.847 79.985,73.508 68.834,73.508 68.834,71.323
VCC_3V3_SYS on BOTTOM "BOTTOM-VCC_3V3_SYS 4" (solid, pour order 51): 51.678,64.475 53.252,64.475 53.252,62.799 52.49,62.799 52.49,61.859 51.754,61.859 51.754,63.053 51.678,63.129
VCC_3V3_SYS on BOTTOM "BOTTOM-VCC_3V3_SYS 5" (solid, pour order 99): 5.842,115.824 5.842,113.309 8.306,113.309 8.306,115.824
DDR_VREFCA on BOTTOM "BOTTOM-DDR_VREFCA" (solid, pour order 85): 38.127,62.304 38.127,60.576 38.978,60.576 38.978,61.123 42.114,61.123 42.254,61.262 42.254,62.304
CPSW2_LED_ACT on BOTTOM "BOTTOM-CPSW2_LED_ACT" (solid, pour order 38): 76.2,100.965 76.2,98.501 77.216,98.501 77.216,100.965
DRAIN2 on BOTTOM "BOTTOM-DRAIN2" (solid, pour order 98): 17 vertices, not listed, extent 13.146,32.057 15.686,36.071
SOC_DVDD3V3 on BOTTOM "BOTTOM-SOC_DVDD3V3 1" (solid, pour order 29): 42.711,106.396 42.711,108.839 41.8,108.839 41.8,106.396
VMAIN on BOTTOM "BOTTOM-VMAIN 4" (solid, pour order 69): 42.305,1.737 42.661,1.737 42.661,0.772 43.042,0.391 43.042,-1.565 42.737,-1.869 40.679,-1.869 40.679,-0.93 42,-0.93 42,0.467 42.305,0.772
VDD_1V2 on BOTTOM "BOTTOM-VDD_1V2" (solid, pour order 60): 11.52,105.471 11.52,104.201 13.882,104.201 13.882,105.801 11.85,105.801
VCC_5V0 on BOTTOM "BOTTOM-VCC_5V0 1" (solid, pour order 147): 12.954,25.121 12.954,26.34 13.335,26.721 13.335,30.404 17.602,30.404 17.602,25.857 16.51,24.765 15.062,24.765 14.707,25.121
N17253649 on BOTTOM "BOTTOM-N17253649" (solid, pour order 76): 42.193,7.402 43.663,7.402 43.663,4.695 43.169,4.201 42.704,4.201 42.621,4.119 42.339,4.119 42.339,4.192 42.193,4.338
VCC_5V0_HDMICONN on BOTTOM "BOTTOM-VCC_5V0_HDMICONN" (solid, pour order 88): 3.011,111.44 6.389,111.44 6.389,110.716 5.653,110.716 5.653,108.773 4.23,108.773 4.23,110.551 3.011,110.551

## Text inside footprints (layer, text, board x,y; h text height)
Q16: PIN_NUMBER "1" at 14.131,22.668 h0.25 r90; PIN_NUMBER "2" at 14.131,22.018 h0.25 r90; PIN_NUMBER "6" at 12.286,22.668 h0.25 r90; PIN_NUMBER "5" at 12.286,22.018 h0.25 r90; PIN_NUMBER "8" at 13.209,22.344 h0.25 r90; PIN_NUMBER "3" at 14.131,21.369 h0.25 r90; PIN_NUMBER "4" at 12.286,21.369 h0.25 r90; PIN_NUMBER "7" at 13.113,21.369 h0.25 r90; Bottom Overlay "6" at 11.584,22.447 h0.51; Bottom Overlay "4" at 11.609,21.101 h0.51; Bottom Overlay "3" at 15.444,20.999 h0.51
Q17: PIN_NUMBER "3" at 38.607,13.048 h0.25; PIN_NUMBER "1" at 39.557,10.848 h0.25; PIN_NUMBER "2" at 37.657,10.848 h0.25
Q18: PIN_NUMBER "3" at 31.901,13.048 h0.25; PIN_NUMBER "1" at 32.851,10.848 h0.25; PIN_NUMBER "2" at 30.951,10.848 h0.25
Q20: PIN_NUMBER "4" at 1.092,68.095 h0.25 r180; PIN_NUMBER "7" at 1.972,68.095 h0.25 r180; PIN_NUMBER "3" at 3.042,68.095 h0.25 r180; PIN_NUMBER "1" at 3.042,66.795 h0.25 r180; PIN_NUMBER "2" at 3.042,67.445 h0.25 r180; PIN_NUMBER "5" at 1.092,67.445 h0.25 r180; PIN_NUMBER "6" at 1.092,66.795 h0.25 r180; PIN_NUMBER "8" at 2.067,67.12 h0.25 r180; Top Overlay "6" at 0.318,66.421 h0.51; Top Overlay "4" at 0.318,67.818 h0.51; DISPLAY_TOP "3" at 3.619,67.818 h0.51
R1: PIN_NUMBER "1" at 55.343,140.187 h0.25 r90; PIN_NUMBER "2" at 55.343,141.167 h0.25 r90
R2: PIN_NUMBER "1" at 66.948,140.187 h0.25 r90; PIN_NUMBER "2" at 66.948,141.167 h0.25 r90
R3: PIN_NUMBER "2" at 55.285,140.13 h0.25; PIN_NUMBER "1" at 54.305,140.13 h0.25
R4: PIN_NUMBER "1" at 66.751,140.13 h0.25; PIN_NUMBER "2" at 67.731,140.13 h0.25
R5: PIN_NUMBER "2" at 52.668,136.865 h0.25; PIN_NUMBER "1" at 52.108,136.865 h0.25
R6: PIN_NUMBER "1" at 68.492,136.027 h0.25; PIN_NUMBER "2" at 69.052,136.027 h0.25
R7: PIN_NUMBER "2" at 52.669,135.926 h0.25; PIN_NUMBER "1" at 52.109,135.926 h0.25
R8: PIN_NUMBER "1" at 29.442,129.819 h0.25 r180; PIN_NUMBER "2" at 28.462,129.819 h0.25 r180
R9: PIN_NUMBER "1" at 28.589,129.692 h0.25 r90; PIN_NUMBER "2" at 28.589,130.672 h0.25 r90
R10: PIN_NUMBER "1" at 28.672,127.279 h0.25; PIN_NUMBER "2" at 29.232,127.279 h0.25
R11: PIN_NUMBER "1" at 9.165,129.619 h0.25 r180; PIN_NUMBER "2" at 8.606,129.619 h0.25 r180
R12: PIN_NUMBER "2" at 29.442,128.295 h0.25; PIN_NUMBER "1" at 28.462,128.295 h0.25
R13: PIN_NUMBER "2" at 0.737,128.901 h0.25 r90; PIN_NUMBER "1" at 0.737,128.341 h0.25 r90
R14: PIN_NUMBER "1" at -0.285,128.897 h0.25 r270; PIN_NUMBER "2" at -0.285,128.337 h0.25 r270
R15: PIN_NUMBER "1" at -1.804,127.402 h0.25; PIN_NUMBER "2" at -1.244,127.402 h0.25
R16: PIN_NUMBER "1" at 11.142,127.303 h0.25; PIN_NUMBER "2" at 11.702,127.303 h0.25
R17: PIN_NUMBER "2" at 12.892,126.552 h0.25 r270; PIN_NUMBER "1" at 12.892,127.112 h0.25 r270
R18: PIN_NUMBER "1" at 19.409,126.357 h0.25 r90; PIN_NUMBER "2" at 19.409,126.916 h0.25 r90
R19: PIN_NUMBER "1" at 21.949,126.357 h0.25 r90; PIN_NUMBER "2" at 21.949,126.916 h0.25 r90
R20: PIN_NUMBER "1" at 24.489,126.357 h0.25 r90; PIN_NUMBER "2" at 24.489,126.916 h0.25 r90
R21: PIN_NUMBER "1" at 32.109,126.357 h0.25 r90; PIN_NUMBER "2" at 32.109,126.916 h0.25 r90
R22: PIN_NUMBER "1" at 34.649,126.357 h0.25 r90; PIN_NUMBER "2" at 34.649,126.916 h0.25 r90
R23: PIN_NUMBER "1" at 69.953,125.918 h0.25 r180; PIN_NUMBER "2" at 68.973,125.918 h0.25 r180
R24: PIN_NUMBER "2" at 57.312,124.361 h0.25 r270; PIN_NUMBER "1" at 57.312,124.921 h0.25 r270
R25: PIN_NUMBER "2" at 33.128,124.153 h0.25 r270; PIN_NUMBER "1" at 33.128,124.712 h0.25 r270
R26: PIN_NUMBER "2" at 35.668,124.153 h0.25 r270; PIN_NUMBER "1" at 35.668,124.712 h0.25 r270
R27: PIN_NUMBER "2" at 18.174,124.343 h0.25 r180; PIN_NUMBER "1" at 18.734,124.343 h0.25 r180
R28: PIN_NUMBER "2" at 16.672,124.341 h0.25 r180; PIN_NUMBER "1" at 17.232,124.341 h0.25 r180
R29: PIN_NUMBER "2" at 67.243,119.67 h0.25 r180; PIN_NUMBER "1" at 68.722,119.67 h0.25 r180
R30: PIN_NUMBER "1" at 44.652,124.994 h0.25; PIN_NUMBER "2" at 44.092,124.994 h0.25
R31: PIN_NUMBER "1" at 44.652,124.232 h0.25; PIN_NUMBER "2" at 44.092,124.232 h0.25
R32: PIN_NUMBER "1" at 22.181,107.346 h0.25; PIN_NUMBER "2" at 22.741,107.346 h0.25
R33: PIN_NUMBER "1" at 38.713,111.849 h0.25 r90; PIN_NUMBER "2" at 38.713,110.869 h0.25 r90
R34: PIN_NUMBER "1" at 9.859,115.75 h0.25 r270; PIN_NUMBER "2" at 9.859,115.19 h0.25 r270
R35: PIN_NUMBER "2" at 55.83,115.2 h0.25 r90; PIN_NUMBER "1" at 55.83,114.64 h0.25 r90
R36: PIN_NUMBER "1" at 40.814,114.756 h0.25 r180; PIN_NUMBER "2" at 40.254,114.756 h0.25 r180
R37: PIN_NUMBER "1" at 39.983,111.849 h0.25 r90; PIN_NUMBER "2" at 39.983,110.869 h0.25 r90
R38: PIN_NUMBER "2" at 58.244,113.063 h0.25; PIN_NUMBER "1" at 57.264,113.063 h0.25
R39: PIN_NUMBER "2" at 28.843,101.789 h0.25 r90; PIN_NUMBER "1" at 28.843,102.349 h0.25 r90
R41: PIN_NUMBER "2" at 7.203,112.253 h0.25 r90; PIN_NUMBER "1" at 7.203,111.693 h0.25 r90
R47: PIN_NUMBER "1" at 57.089,111.088 h0.25; PIN_NUMBER "2" at 58.069,111.088 h0.25
R48: PIN_NUMBER "2" at 40.057,111.464 h0.25 r180; PIN_NUMBER "3" at 38.507,111.464 h0.25 r180; PIN_NUMBER "1" at 40.057,109.765 h0.25 r180; PIN_NUMBER "4" at 38.507,109.765 h0.25 r180; Top Overlay "4" at 37.542,110.051 h0.51; Top Overlay "3" at 37.441,111.245 h0.51; Top Overlay "2" at 40.768,111.829 h0.51
R49: PIN_NUMBER "1" at 52.759,110.926 h0.25 r180; PIN_NUMBER "2" at 51.779,110.926 h0.25 r180
R52: PIN_NUMBER "1" at 28.999,109.926 h0.25 r270; PIN_NUMBER "2" at 28.999,109.366 h0.25 r270
R53: PIN_NUMBER "1" at 47.835,112.653 h0.25 r180; PIN_NUMBER "2" at 48.394,112.653 h0.25 r180
R54: PIN_NUMBER "1" at 52.759,109.587 h0.25 r180; PIN_NUMBER "2" at 51.779,109.587 h0.25 r180
R55: PIN_NUMBER "2" at 30.65,107.116 h0.25 r90; PIN_NUMBER "1" at 30.65,107.675 h0.25 r90
R56: PIN_NUMBER "1" at 32.937,109.128 h0.25 r270; PIN_NUMBER "2" at 32.937,108.568 h0.25 r270
R57: PIN_NUMBER "1" at 26.115,108.643 h0.25 r90; PIN_NUMBER "2" at 26.115,109.203 h0.25 r90
R58: PIN_NUMBER "2" at 45.179,108.087 h0.25 r180; PIN_NUMBER "1" at 45.739,108.087 h0.25 r180
R60: PIN_NUMBER "2" at 39.653,106.486 h0.25 r90; PIN_NUMBER "1" at 39.653,105.927 h0.25 r90
R61: PIN_NUMBER "1" at 21.249,105.471 h0.25 r180; PIN_NUMBER "2" at 20.69,105.471 h0.25 r180
R62: PIN_NUMBER "2" at 19.393,104.811 h0.25; PIN_NUMBER "1" at 18.833,104.811 h0.25
R63: PIN_NUMBER "2" at 46.129,102.73 h0.25 r180; PIN_NUMBER "1" at 46.689,102.73 h0.25 r180
R64: PIN_NUMBER "2" at 57.314,99.63 h0.25; PIN_NUMBER "1" at 56.334,99.63 h0.25
R65: PIN_NUMBER "2" at 43.582,101.788 h0.25; PIN_NUMBER "1" at 42.602,101.788 h0.25
R66: PIN_NUMBER "2" at 17.896,101.521 h0.25; PIN_NUMBER "1" at 17.336,101.521 h0.25
R67: PIN_NUMBER "1" at 51.438,97.737 h0.25; PIN_NUMBER "2" at 52.418,97.737 h0.25
R68: PIN_NUMBER "2" at 51.474,96.487 h0.25 r90; PIN_NUMBER "1" at 51.474,95.507 h0.25 r90
R69: PIN_NUMBER "2" at 44.389,97.057 h0.25 r90; PIN_NUMBER "1" at 44.389,98.037 h0.25 r90
R70: PIN_NUMBER "3" at 10.898,94.071 h0.25; PIN_NUMBER "1" at 9.348,95.77 h0.25; PIN_NUMBER "4" at 10.898,95.77 h0.25; PIN_NUMBER "2" at 9.348,94.071 h0.25; Top Overlay "4" at 11.812,95.624 h0.51; Top Overlay "3" at 10.796,91.713 h0.51; Top Overlay "2" at 8.358,94.888 h0.51
R71: PIN_NUMBER "1" at 16.193,93.501 h0.25; PIN_NUMBER "2" at 16.753,93.501 h0.25
R72: PIN_NUMBER "2" at 56.999,93.482 h0.25 r180; PIN_NUMBER "1" at 57.979,93.482 h0.25 r180
R73: PIN_NUMBER "1" at 15.633,92.333 h0.25; PIN_NUMBER "2" at 16.193,92.333 h0.25
R74: PIN_NUMBER "2" at 16.981,92.587 h0.25 r180; PIN_NUMBER "1" at 17.54,92.587 h0.25 r180
R75: PIN_NUMBER "2" at 1.741,91.541 h0.25 r270; PIN_NUMBER "1" at 1.741,92.101 h0.25 r270
R76: PIN_NUMBER "2" at 58.244,91.219 h0.25; PIN_NUMBER "1" at 57.264,91.219 h0.25
R77: PIN_NUMBER "2" at 13.451,90.714 h0.25 r90; PIN_NUMBER "1" at 13.451,90.154 h0.25 r90
R78: PIN_NUMBER "2" at 7.9,90.284 h0.25 r90; PIN_NUMBER "1" at 7.9,89.304 h0.25 r90
R79: PIN_NUMBER "2" at 9.17,90.284 h0.25 r90; PIN_NUMBER "1" at 9.17,89.304 h0.25 r90
R80: PIN_NUMBER "1" at 3.998,89.494 h0.25 r90; PIN_NUMBER "2" at 3.998,90.054 h0.25 r90
R81: PIN_NUMBER "1" at 4.912,89.494 h0.25 r90; PIN_NUMBER "2" at 4.912,90.054 h0.25 r90
R82: PIN_NUMBER "1" at 5.827,89.494 h0.25 r90; PIN_NUMBER "2" at 5.827,90.054 h0.25 r90
R83: PIN_NUMBER "1" at 21.776,89.467 h0.25 r90; PIN_NUMBER "2" at 21.776,90.027 h0.25 r90
R84: PIN_NUMBER "1" at 57.089,89.244 h0.25; PIN_NUMBER "2" at 58.069,89.244 h0.25
R85: PIN_NUMBER "1" at 52.759,89.05 h0.25 r180; PIN_NUMBER "2" at 51.779,89.05 h0.25 r180
R86: PIN_NUMBER "1" at 52.759,87.743 h0.25 r180; PIN_NUMBER "2" at 51.779,87.743 h0.25 r180
R87: PIN_NUMBER "2" at 20.905,87.66 h0.25 r180; PIN_NUMBER "1" at 21.465,87.66 h0.25 r180
R88: PIN_NUMBER "2" at -0.867,82.265 h0.25; PIN_NUMBER "1" at -1.847,82.265 h0.25
R89: PIN_NUMBER "2" at 38.317,85.685 h0.25 r90; PIN_NUMBER "1" at 38.317,85.125 h0.25 r90
R90: PIN_NUMBER "1" at 3.244,85.659 h0.25 r270; PIN_NUMBER "2" at 3.244,85.099 h0.25 r270
R91: PIN_NUMBER "1" at 4.158,85.659 h0.25 r270; PIN_NUMBER "2" at 4.158,85.099 h0.25 r270
R92: PIN_NUMBER "1" at 5.073,85.659 h0.25 r270; PIN_NUMBER "2" at 5.073,85.099 h0.25 r270
R93: PIN_NUMBER "2" at 6.608,83.835 h0.25 r270; PIN_NUMBER "1" at 6.608,84.815 h0.25 r270
R94: PIN_NUMBER "1" at 5.321,83.843 h0.25 r270; PIN_NUMBER "2" at 5.321,83.283 h0.25 r270
R95: PIN_NUMBER "1" at 4.486,83.652 h0.25 r180; PIN_NUMBER "2" at 3.506,83.652 h0.25 r180
R96: PIN_NUMBER "2" at 11.063,83.237 h0.25 r270; PIN_NUMBER "1" at 11.063,83.797 h0.25 r270
R97: PIN_NUMBER "1" at -0.061,82.641 h0.25 r270; PIN_NUMBER "2" at -0.061,82.081 h0.25 r270
R98: PIN_NUMBER "1" at 23.974,82.255 h0.25 r180; PIN_NUMBER "2" at 22.994,82.255 h0.25 r180
R99: PIN_NUMBER "2" at 4.357,82.212 h0.25 r90; PIN_NUMBER "1" at 4.357,81.232 h0.25 r90
R100: PIN_NUMBER "1" at 2.013,81.189 h0.25; PIN_NUMBER "2" at 2.993,81.189 h0.25
R101: PIN_NUMBER "2" at 7.672,80.673 h0.25; PIN_NUMBER "1" at 5.772,80.673 h0.25
R102: PIN_NUMBER "2" at 58.284,98.614 h0.25 r180; PIN_NUMBER "1" at 59.264,98.614 h0.25 r180
R103: PIN_NUMBER "1" at 2.013,79.919 h0.25; PIN_NUMBER "2" at 2.993,79.919 h0.25
R104: PIN_NUMBER "2" at 6.222,79.282 h0.25 r180; PIN_NUMBER "1" at 6.782,79.282 h0.25 r180
R105: PIN_NUMBER "1" at 7.691,79.028 h0.25; PIN_NUMBER "2" at 8.251,79.028 h0.25
R106: PIN_NUMBER "3" at 13.845,79.884 h0.25 r90; PIN_NUMBER "2" at 13.845,78.334 h0.25 r90; PIN_NUMBER "1" at 12.147,78.334 h0.25 r90; PIN_NUMBER "4" at 12.147,79.884 h0.25 r90; Top Overlay "4" at 10.999,80.283 h0.51; Top Overlay "3" at 14.835,80.689 h0.51; Top Overlay "2" at 15.317,76.879 h0.51
R107: PIN_NUMBER "2" at 18.301,78.756 h0.25; PIN_NUMBER "1" at 17.742,78.756 h0.25
R108: PIN_NUMBER "2" at 21.944,77.994 h0.25 r270; PIN_NUMBER "1" at 21.944,78.974 h0.25 r270
R109: PIN_NUMBER "2" at 9.136,77.684 h0.25; PIN_NUMBER "1" at 8.156,77.684 h0.25
R110: PIN_NUMBER "2" at 2.74,77.007 h0.25 r270; PIN_NUMBER "1" at 2.74,77.987 h0.25 r270
R111: PIN_NUMBER "2" at 19.896,77.457 h0.25 r90; PIN_NUMBER "1" at 19.896,76.897 h0.25 r90
R112: PIN_NUMBER "2" at 20.785,77.457 h0.25 r90; PIN_NUMBER "1" at 20.785,76.897 h0.25 r90
R113: PIN_NUMBER "2" at 17.029,77.094 h0.25 r180; PIN_NUMBER "1" at 18.009,77.094 h0.25 r180
R114: PIN_NUMBER "1" at 22.178,76.813 h0.25 r180; PIN_NUMBER "2" at 21.618,76.813 h0.25 r180
R115: PIN_NUMBER "1" at 8.156,76.414 h0.25; PIN_NUMBER "2" at 9.136,76.414 h0.25
R116: PIN_NUMBER "1" at 57.694,75.408 h0.25 r90; PIN_NUMBER "2" at 57.694,75.968 h0.25 r90
R117: PIN_NUMBER "2" at 0.679,75.391 h0.25; PIN_NUMBER "1" at 0.119,75.391 h0.25
R118: PIN_NUMBER "1" at 30.573,74.9 h0.25 r90; PIN_NUMBER "2" at 30.573,75.459 h0.25 r90
R119: PIN_NUMBER "2" at 41.546,75.135 h0.25 r90; PIN_NUMBER "1" at 41.546,74.576 h0.25 r90
R120: PIN_NUMBER "2" at 42.308,74.366 h0.25 r270; PIN_NUMBER "1" at 42.308,75.346 h0.25 r270
R121: PIN_NUMBER "2" at 28.89,72.688 h0.25 r270; PIN_NUMBER "1" at 28.89,73.669 h0.25 r270
R122: PIN_NUMBER "2" at 30.414,73.669 h0.25 r90; PIN_NUMBER "1" at 30.414,72.688 h0.25 r90; PROC101E2 TMDS64GPEVM_T "R62" at 30.065,72.334 h0.76 r270
R123: PIN_NUMBER "3" at 7.283,73.141 h0.25 r90; PIN_NUMBER "1" at 5.585,71.591 h0.25 r90; PIN_NUMBER "4" at 5.585,73.141 h0.25 r90; PIN_NUMBER "2" at 7.283,71.591 h0.25 r90; Top Overlay "4" at 5.335,73.933 h0.51; Top Overlay "3" at 7.429,74.041 h0.51; Top Overlay "2" at 6.478,70.148 h0.51
R124: PIN_NUMBER "2" at 16.918,70.62 h0.25 r270; PIN_NUMBER "1" at 16.918,71.6 h0.25 r270
R125: PIN_NUMBER "2" at 18.188,70.62 h0.25 r270; PIN_NUMBER "1" at 18.188,71.6 h0.25 r270
R126: PIN_NUMBER "2" at 11.673,70.878 h0.25; PIN_NUMBER "1" at 11.113,70.878 h0.25